# EAGLE board Mk4 Final Panel (EAGLE 9.0.1), part 8 of 18 (continued)
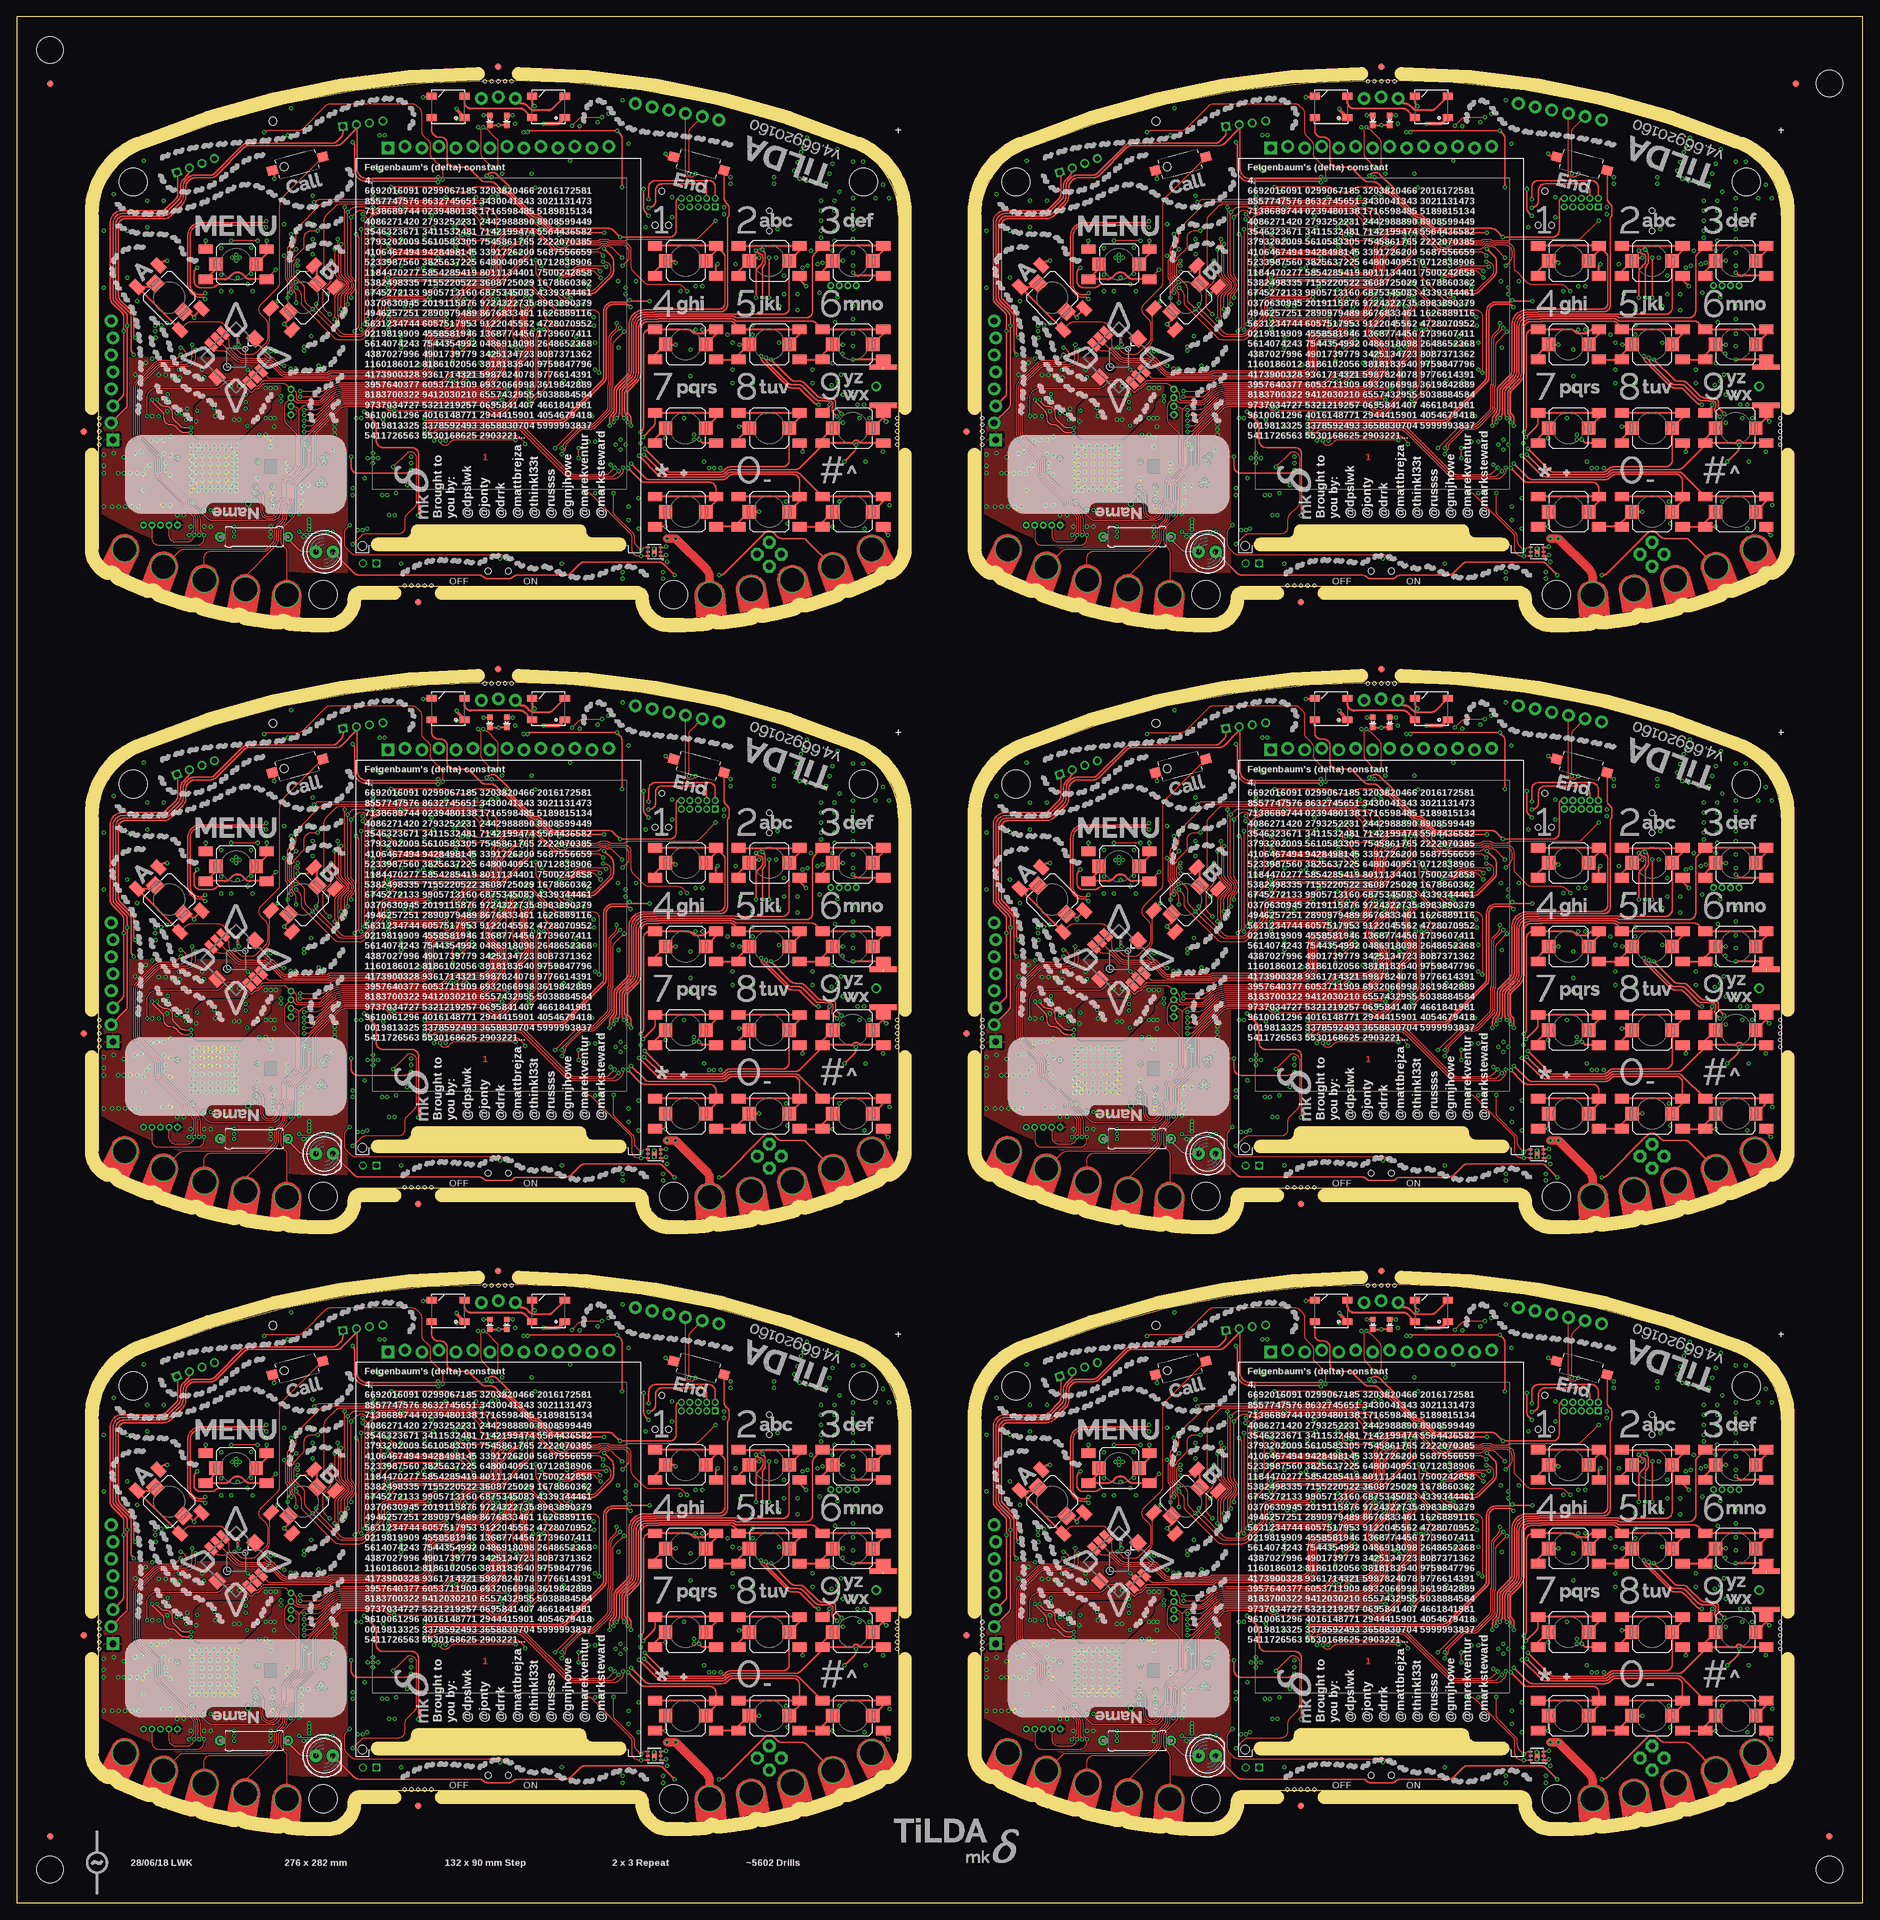
[diagram p0: board, top side]
## Tracks (layer width: path | path; a pad name or v marks a point on that pad's centre or on a via) (continued)
  Bottom 0.15: 27.17,204.57 v27.25,204.5 | JP42.5 18.94,205.56 21.21,203.29 arc45 21.91,203 26.02,203 arc90 27.02,204 27.02,204.21 arc-45 27.17,204.57 | IC83.12 27.75,209.75 arc-45 27.47,209.06 arc45 27.17,208.36 27.17,204.57
  Bottom 0.2: IC84.5 27.82,234.16 arc45 27.11,233.86 v26.25,233
FLASH_MOSI5  (via drill 0.3)
  Top 0.15: v159.25,204.5 arc-45 159.12,204.8 159.12,206.78 arc45 158.69,207.84 157.5,209.02 arc-45 157.43,209.2 157.43,209.47 arc45 157.35,209.65 153.77,213.23 arc-45 153.4,214.12 153.4,215.33 arc45 152.96,216.39 150.47,218.88 arc-45 150.1,219.77 150.1,226.43 arc-45 150.47,227.32 152.86,229.71 arc-45 153.74,230.07 157.2,230.07 arc90 158.2,231.07 158.2,232.95 v158.25,233
  Bottom 0.15: 159.18,204.57 v159.25,204.5 | JP51.5 150.94,205.56 153.21,203.29 arc45 153.91,203 158.03,203 arc90 159.03,204 159.03,204.21 arc-45 159.18,204.57 | IC101.12 159.75,209.75 arc-45 159.47,209.06 arc45 159.18,208.36 159.18,204.57
  Bottom 0.2: IC102.5 159.82,234.16 arc45 159.11,233.86 v158.25,233
FLASH_PU
  Bottom 0.15: IC14.3 24,52.88 arc45 24.14,52.94 24.17,52.97 arc-45 24.31,53.02 24.51,53.02 arc-45 24.86,52.88 25.84,51.91 arc45 26.54,51.62 IC14.7
  Bottom 0.2: IC14.3 20.63,52.88 R66.2
FLASH_PU1
  Bottom 0.15: IC30.3 156,52.88 arc45 156.14,52.94 156.17,52.97 arc-45 156.31,53.02 156.51,53.02 arc-45 156.86,52.88 157.83,51.91 arc45 158.54,51.62 IC30.7
  Bottom 0.2: IC30.3 152.63,52.88 R144.2
FLASH_PU2
  Bottom 0.15: IC48.3 24,142.88 arc45 24.14,142.94 24.17,142.97 arc-45 24.31,143.03 24.51,143.03 arc-45 24.86,142.88 25.84,141.91 arc45 26.54,141.62 IC48.7
  Bottom 0.2: IC48.3 20.63,142.88 R222.2
FLASH_PU3
  Bottom 0.15: IC66.3 156,142.88 arc45 156.14,142.94 156.17,142.97 arc-45 156.31,143.03 156.51,143.03 arc-45 156.86,142.88 157.83,141.91 arc45 158.54,141.62 IC66.7
  Bottom 0.2: IC66.3 152.63,142.88 R300.2
FLASH_PU4
  Bottom 0.15: IC84.3 24,232.88 arc45 24.14,232.94 24.17,232.97 arc-45 24.31,233.03 24.51,233.03 arc-45 24.86,232.88 25.84,231.91 arc45 26.54,231.62 IC84.7
  Bottom 0.2: IC84.3 20.63,232.88 R378.2
FLASH_PU5
  Bottom 0.15: IC102.3 156,232.88 arc45 156.14,232.94 156.17,232.97 arc-45 156.31,233.03 156.51,233.03 arc-45 156.86,232.88 157.83,231.91 arc45 158.54,231.62 IC102.7
  Bottom 0.2: IC102.3 152.63,232.88 R456.2
GMS_ANT_L
  Bottom 0.4: L3.2 C73.2 D2.1 128.25,46.5 J4.ANT J7.1
GMS_ANT_L1
  Bottom 0.4: L13.2 C174.2 D4.1 260.25,46.5 J15.ANT J19.1
GMS_ANT_L2
  Bottom 0.4: L22.2 C282.2 D6.1 128.25,136.5 J25.ANT J29.1
GMS_ANT_L3
  Bottom 0.4: L31.2 C390.2 D8.1 260.25,136.5 J35.ANT J39.1
GMS_ANT_L4
  Bottom 0.4: L40.2 C498.2 D10.1 128.25,226.5 J45.ANT J49.1
GMS_ANT_L5
  Bottom 0.4: L49.2 C606.2 D12.1 260.25,226.5 J55.ANT J59.1
GND  (via drill 0.3)  (1 unrouted)
  Top 0.15: IC17.3 96.3,22.65 96.25,22.6 IC17.2 | v95.3,21.5 IC17.PAD v95.3,22.5
  Top 0.2: 96.3,22.65 96.95,22.65 v97.05,22.75
  Top 0.3: S8.1 107.95,38.95 S8.A1 | S7.A1 95.45,38.95 S7.1 v97,39 | S10.A1 95.45,26 95.7,25.75 v97,25.75 S10.1 | S12.1 120.45,26.45 S12.A1 | S9.1 129.55,42.05 S9.A1 | 120.45,63.5 120.45,63.95 S3.1 v123.5,65.5 | 120.45,63.5 S3.A1 | S2.A1 107.95,63.95 S2.1 110,66 v111,66 | S1.A1 95.45,63.95 S1.1 98.25,65.5 v98.5,65.25 | S4.A1 95.45,51.45 S4.1 v98.5,53 | 107.95,51 107.95,51.45 S5.1 v108.05,53 | 107.95,51 S5.A1 | S1.A2 104.55,64.8 v104.75,65 | 120.2,63.25 120.45,63.5 | S6.A2 v125,50.75 | v123.5,53 S6.1 120.45,51.45 S6.A1 S5.A2 | 104.5,38.3 S7.A2 102.5,38.25 v102,38.75 | S8.1 109,41 | S12.A2 129.5,25.75 129.5,25.25 v130.25,24.5 | S11.A2 S12.A1 | v111,28 S11.1 107.95,26.45 S11.A1 S10.A2 | S4.A2 107.7,50.75 107.95,51 | S17.1 97.49,81.01 v97,81.5 | LED3.C v72.03,85.75 LED4.C | LED1.3 61.95,90 v60.75,90 | S3.A2 125.91,63.25 arc-45 125.21,63.54 v125,63.75 | 27.61,58.39 S13.A1 26.5,57.27 v26.5,57 25.62,57.88 S13.1 | S13.A2 21.57,65.21 arc-45 22.28,65.5 v22.5,65.5 | S12.A1 v122,25.75 | S2.A2 117.05,62.7 v118,61.75 | S8.1 109.25,40.75 v108,40.75 | S8.A2 117.5,37.8 v117.5,37 | S14.A2 v28.25,68.5 | S14.1 37.35,66.55 S14.A1 v37.35,68.5 | S16.1 38.5,78.72 v38.5,77.75 | S15.A1 40.81,55.19 v40,56 40.68,56.68 S15.1 | v46.5,60.5 47.61,61.61 S15.A2 | LED2.3 77.05,89.36 arc45 77.34,88.66 v77.4,88.6 | S9.A2 121.5,43.8 v121.5,44 | S9.A1 129.55,41.95 v130,41.5 | S9.A1 129.53,42.77 J7.G@4
  Top 0.4: S6.A2 129.53,50.73 J7.G@3
  GND@3 0.4: v34.45,40.85 31.8,38.2 v31.8,37.85 | v29.5,43.5 28.75,42.75 28.75,38.6 v29.5,37.85 | v27,43.1 27.75,42.35 27.75,38.4 v28.3,37.85
  Bottom 0.15: J2.32 68.75,50.25 | J2.31 69.25,50 | J2.30 69.75,50 | J2.29 70.25,50 | J2.28 70.75,50 | J2.27 71.25,50 | J2.26 71.75,50 | J2.25 72.25,50 | J2.24 72.75,50 | J2.23 73.25,50 | J2.22 73.75,50 | J2.21 74.25,50 | J2.20 74.75,50 | J2.19 75.25,50 | J2.18 75.75,50 | J2.17 76.25,50 | J2.16 76.75,50 | J2.15 77.25,50 | J2.14 77.75,50 | J2.13 78.25,50 | J2.12 78.75,50 | J2.11 79.25,50 | IC1.58 v65.6,68.8 | IC1.55 v65.6,67.6 | IC7.3 87.05,86 v86.85,86.2 | ANT2.3 118.79,83.9 v118.15,83.9 | v117.7,82.75 117.8,82.65 117.94,82.65 117.84,82.75 v117.7,82.75 | ANT2.2 118.05,82.4 v117.7,82.75 | ANT2.4 122.28,82.2 v122.75,82.2 | IC15.PAD v30.1,35.1 | IC15.PAD v28.9,35.1 | IC15.PAD v28.9,33.9 | IC15.PAD v30.1,33.9 | v28.9,36.3 29.5,36.9 v29.5,37.85 | v28.3,37.85 28.3,36.9 v27.7,36.3 27.75,36.35 | v31.3,36.3 31.3,37.35 v31.8,37.85 | v87.5,30.75 C102.2 88,31.5 arc90 88.5,32 88.5,32.5 arc90 88,33 IC16.2 87.46,33 arc45 87.1,32.85 86.9,32.65 arc-45 86.54,32.5 IC16.4 | C104.2 96.45,22.5 | v113.25,78 C54.2 | C57.2 v113.25,77 | C55.2 v106.75,78 | C53.2 v106.75,77 | v30.55,67.4 30.25,67.7 R74.2
  Bottom 0.2: C13.1 74.6,55.85 IC1.10 | IC1.17 71.8,56.01 arc-45 71.65,55.65 C12.1 v71.5,54.75 | IC1.48 63.46,64.8 arc-45 C10.1 | IC1.114 80.74,64.4 arc45 81.44,64.69 C9.1 | IC1.80 71.8,74.05 71.97,74.22 | X4.4 19.88,33.42 19.7,33.6 v18.9,33.6 | X4.2 21.73,29.07 v21.8,29 | IC4.23 87.8,38.75 arc-45 87.66,38.81 87.25,39.22 arc-90 87.25,39.25 | 87.25,39.25 v87.25,39.5 | IC4.24 87.25,39.25 | IC4.18 89,35.25 v88.75,35 | IC4.9 v93.25,38.25 | IC8.17 52.5,33.5 v52,33 IC8.18 | J1.GND4 123,28.05 | 96.45,22.5 arc45 v97.05,22.75 | v37.3,69.5 C106.2 | IC11.4 93.97,69.72 C78.1
  Bottom 0.25: J2.50 59.75,49.45 v60.25,49.95 | J2.49 v60.25,49.95 | J2.48 60.75,49.45 v60.25,49.95 | J2.43 63.25,50 | J2.6 v81.75,47.5 | v74,52.75 74,53.62 C14.1 74.25,54.12 C13.1 | v62,65.1 C10.1 | v82.25,64.75 C9.1 | v72,75 C11.1 71.97,74.22 | C8.1 C16.1 v73,76.45 | v61,69.25 R3.2 | C15.1 71.05,76.25 v71.65,75.65 | v81.5,20.25 S19.1 | v57.5,20.25 S20.1 | C19.1 v68.7,75 | C18.1 v64.1,75 | v77.5,76.45 C17.1 | R71.2 v31.25,27.75 | v33.35,65.95 IC13.PAD v32.8,65.5 | C46.2 44.88,27.23 | v91.45,83 C5.1 | v74.5,86 C3.1
  Bottom 0.3: 83.45,86.3 v84.15,85.6 | v38,39 R70.2 | v20.25,42.25 C60.1 | v22.5,43 22.62,42.88 C86.2 | v102.5,55.25 C69.2 | v101.5,55.25 C66.2 | v102.5,61.75 C65.2 | C67.2 v101.5,61.75 | IC5.8 106.1,54.65 v106.25,54.5 | R40.2 v100.75,52.25 | R38.2 v100.75,46.25 | R39.2 v100.75,48.25 | IC5.13 108.1,60.65 v108.25,60.5 | IC5.21 116.9,60.65 v116.75,60.5 | Q1.2 100.65,42.15 R30.2 v99.75,42 | C78.1 v94,70.5 | v98,72 97.91,72.09 JP4.5 | C71.1 v105.75,73.5 | IC12.7 99.19,61.81 R55.1 v99.25,61 | v107.5,65 C50.1 | v111,66 110.5,65.5 C49.1 | C48.1 v113.5,66 | J1.GND3 117.21,38.06 arc-45 117.5,37.36 v117.5,37 | 129.38,40.5 J1.GND2 129.5,40.59 arc-45 129.79,41.29 v130,41.5 | 130.17,38 J1.C4 129.79,37.74 arc45 129.5,37.04 v129.5,37 | v130.5,29 130.38,29 J1.GND1 | v115.25,26.25 R59.2 116.92,26.25 Q2.2 | C51.1 v126.75,25.5 | J1.C5 122.85,29.65 v123,29.5 123,28.05 | v115,29.5 115.23,29.27 116.25,29.27 J1.GND6 | C2.1 v82.25,59 | C7.1 v85,62.25 | C6.1 v85,63.5 | Q8.4 Q8.EP2 | C28.1 v57.5,54.25 | IC2.28 43.07,54.25 v44,54.25 | C24.1 v40,66.25 | IC2.46 44.2,68.7 v44.25,68.75 | C27.1 v40,71 | IC2.54 43.89,75.1 arc45 v44.25,75.25 | IC2.52 v44.25,73.5 | C26.1 v56.75,75.75 | C22.1 v57.5,73.5 | IC2.6 53.4,71.1 v53.25,71.25 | C23.1 v57.5,68.75 | C25.1 v57.5,64.75 | R15.1 v59,35.25 | R17.2 v59,36.25 | R19.2 54.15,41.5 arc45 v54.75,41.75 | v38,52 C42.1 | v38.75,52 38.75,51.5 C42.1 | v37.25,52 37.25,51.5 C42.1 | IC2.12 53.3,66.3 v53.25,66.25 | R63.2 v21.25,48.45 | R64.2 v22.25,48.45 | R51.2 v91,60.5 | v32.05,60.95 C58.2 | v114.75,60.5 114.7,60.55 IC5.19 114.7,63.2 v114.75,63.25 | R61.2 41.95,27.5 v42.2,27.75 | IC4.25 v89.5,38 | v72.6,78.55 72.67,78.55 X2.4 | X2.2 76.83,78.55 v76.95,78.55 | v88.5,87.5 C20.1
  Bottom 0.3: v90.6,89.5 R7.2 | C4.1 v82.75,80.5 | C70.1 v89.9,62.45 | J10.8 J10.4 | J8.8 J8.4 | IC2.41 42.05,64.7 v42,64.75 | J1.GND5 123.11,40.91 v123.5,41.3 122.94,41.3 arc-45 122.23,41.59 IC10.3 | IC5.33 119.3,46.95 v119,47.25 | v123.45,51.6 C72.1 | v122.7,46.5 D2.2 | v122.7,47.5 C73.1 | v17.75,36.75 C76.1 | v14.5,36.75 C77.1 | 38.55,42.8 C87.2 37.95,42.8 | IC3.2 v96.6,19 | C107.2 v90.6,18 | IC3.3 v96.6,18 | v119,49.25 119.1,49.15 IC5.31
  Bottom 0.35: v38.55,42 38.55,42.8 | v37.95,42 37.95,42.8
  Bottom 0.4: C89.2 34.1,40.5 v34.45,40.85 | v37.25,39.5 C61.2 | v38,37.75 C95.2 | C84.2 34.12,45.62 v34.25,45.5 | C84.2 v33.25,46.75 | v32,46.75 C85.2 C84.2 | C90.2 28.9,42.9 v29.5,43.5 29.4,43.4 | C88.2 v27,43.1 | v25.5,43.4 26.1,42.8 C44.2 | v40.5,34.25 C100.1 | v40.5,35.25 C101.1 | v38.25,30.75 C96.2 | C92.2 v36,33 | C59.1 v27.75,49.25 | C98.1 v22.95,33.5 | C94.2 v22.25,34.25 | C62.2 v22.25,35.25 | C99.1 v22.95,29 | R62.2 v24,27.5 | R65.2 v25,27.5 | R72.2 v26,25.75 | C97.2 v29,25.75 | C91.2 v28,25.75 | v38.5,40.75 C93.2 37.4,41.64 arc45 v37.25,42 | IC14.4 21.12,54.16 arc45 v20.75,54 | v38.25,28.75 R25.2 | v85.5,38.5 C21.1 | v50.25,30.5 50.85,30.5 C40.2 50.85,31.5 v50.25,31.5 | S18.2 71.4,21 v72.25,21 | Q8.EP2 86.4,49.35 v86.5,49.25 | v86.5,53.25 v86.5,53.24 IC6.4 | 48.75,40.75 C41.2 48.38,40.25 v47.5,40.25 | 48.62,41 v47.5,41 | C36.2 47.6,39.4 v47.5,39.5 | v47.25,37.25 47.25,36.33 C39.1 | 13,33.6 v13,33.75 ANT1.4 | ANT1.3 v13,28.75 | ANT1.2 14.25,29.7 v14.25,28.75 | C43.1 v38,25 | C43.1 37.5,25.75 v38,25.75 | C43.1 37.5,24.25 v38,24.25 | J9.4 40.94,83.81 v40.5,84.25 | C1.2 65.88,86.62 v65.75,86.75 | IC18.3 99.26,20.15 arc-45 98.56,20.44 C108.2 97.68,20.68 arc-45 v97.25,20.5 | TP17.TP 43.75,32.1 v43.6,31.95
  Bottom 0.5: v24.35,48.05 24.35,47.5 C63.2 23.35,47.5 v23.35,48.05
  Bottom 1: J5.1 93.05,26.8 C34.2 | C34.2 91.6,26.85 v91.5,26.75 | C34.2 v93,25.5 | v58.35,32 C35.2 56.65,30.85 v56.75,30.75
  other vias: 69.25,50.25 78.75,50.25 62.9,53.15 32.8,66.4 32.25,65.95 122.7,60.1 122.35,56.35 122,80 121.5,78.5 121,77 119.5,77 118,77.5 117,77.75 116.25,79 116.75,80.25 117.25,81.75 27.7,35.1 27.7,33.9 27.7,32.7 28.9,32.7 30.1,32.7 31.3,32.7 31.3,33.9 31.3,35.1 30.1,36.3 23,39.25 23,36.35 19,31.2 18.25,28.75 17.25,28.75 16.25,28.75 15.25,28.75 18,33.75 17,33.75 16,33.75 15.2,33.75 91,38 90.25,38.75 90.25,37.25 101.25,39.5 101.25,38.75 126,42 125,52.75 125,54.65 125,56.75 125,58.75 125,64.75 125,66.75 125,68.75 125,73.25 125,74.85 128.4,74.85 130.4,74.85 53.25,36 54,36 53.25,36.75 53.25,35.25 52.5,36 35.3,60.95 30.55,60.95 30.55,63.45 35.05,63.55 35.05,67.45 43.7,26.85 43.7,26.35 43.7,25.35 43.7,25.85 42.9,24.25 43.6,24.25 42.6,31.95 42.5,30.95 42.5,28.75 42.5,29.55 26.75,35.1 26.75,33.9 26.75,32.7 26.75,36.3 32.25,35.1 32.25,33.9 32.25,32.7 32.25,36.3 27.7,31.75 28.9,31.75 30.1,31.75 31.3,31.75 27.7,37.25 28.9,37.25 30.1,37.25 31.3,37.25 32.25,31.75 32.25,37.25 26.75,37.25 26.75,31.75 30.7,37.85 27.2,37.85 26.15,37.85 26.15,36.8 29.5,31.15 30.7,31.15 31.9,31.15 28.3,31.15 27.2,31.15 32.85,34.45 32.85,33.25 32.85,32.05 32.85,35.65 26.15,34.5 26.15,33.3 26.15,32.2 26.15,35.7 32.85,36.75 32.85,37.85 32.85,31.15 26.15,31.15 126.7,44 125.7,44 127.5,42 122,50.2 16.5,70 16.5,63 19.5,70.5 19.5,74.5 22,74.5 19,80.5 14.5,75.5 13,70 13,61.5 18,59.5 19.25,50.25 13,36.5 110,47.25 107,47.25 107,49.25 107,53.25 114,53.25 116.7,58.1 114,58.75 120,60.75 123.5,45.5 123.25,48.5 125,70.25 125,71.75 123,75.85 125,80.35 129.5,76.85 126.5,80.35 121.85,46.95 125,45.5 18.6,36.95 19.35,34.45 19.85,34.95 22,36.7 21,38.7 22,38.7 20.1,38.6 122.25,74.5 120.25,74.5 122.25,73 120.25,73 122.25,71.5 120.25,71.5 122.25,70 120.25,70 122.25,68.5 120.25,69 118.75,67 118.25,64.75 117.5,64.5 119.75,65 120.5,65.25 122,67 17.75,48.5 16,36.15 13,34.85 110,58.25 110,54.5 110,55.9
  pour GND@3 (isolate 0.254, rank 6): 12.2,74.5 12.2,21 arc31 44,12 46.7,12 arc90 49.5,14.8 arc-90 51.5,16.8 92.5,16.8 arc-90 94.5,14.8 arc90 97.3,12 100,12 arc31 131.8,21 131.8,44.5 125.5,44.5 125.5,74.5 131.8,74.5 arc64 125.25,82.25 arc24 72,92.5 arc24 18.75,82.25 arc55
  pour Bottom (rank 6): 79.25,48.9 79.25,50.25 79,50.5 69,50.5 68.75,50.25 68.75,48.9
  pour Bottom (isolate 0.254, rank 6): 12.2,74.5 12.2,28 arc9 23,23 23,35 25,35 25,41 23,41 23,43 arc90 22,44 21,44 arc-90 20,45 20,65.71 arc-90 32.79,78.5 40.5,78.5 44,82 102.5,81.5 arc-90 105,79 105,44.5 116.09,44.5 arc-45 116.79,44.21 119.21,41.79 arc45 119.91,41.5 131.8,41.5 131.8,44.5 125.5,44.5 125.5,74.5 131.8,74.5 arc64 125.25,82.25 arc24 72,92.5 arc24 18.75,82.25 arc55
  pour Bottom (rank 2, no thermals): 113.5,45 115,45 115,42.5 114.41,42.5 arc45 113.71,42.21 113.29,41.79 arc45 113,41.09 113,39 arc-90 112,38 101.5,38 arc-90 100.5,39 arc-90 101.5,40 109.75,40 arc90 110.75,41 110.75,41.09 arc-45 111.04,41.79 111.71,42.46 arc-45 112.41,42.75 112.59,42.75 arc45 113.29,43.04 113.5,43.25
  pour Bottom (no thermals): 63.5,51.5 63.5,50.2 63.3,50 63.2,50 63,50.2 63,51.25 62.5,51.75 62.5,53.3 62.7,53.5 63.05,53.5 63.25,53.3 63.25,51.75
  pour Bottom: 35.55,60.95 35.55,66.95 arc90 34.55,67.95 31.05,67.95 arc90 30.05,66.95 30.05,60.95 arc90 31.05,59.95 34.55,59.95 arc90
  pour Bottom (no thermals): 49.4,39 49.4,40.1 49.2,40.3 49.2,41.05 49,41.25 47.75,41.25 47.25,40.75 47.25,39.25 47.5,39
  pour Bottom (no thermals): 43.9,26.8 43.9,24.3 arc-90 43.4,23.8 42.45,23.8 arc-90 41.95,24.3 41.95,31.65 arc-90 42.45,32.15 43.55,32.15 arc-90 44.05,31.65 44.05,28.1 arc90 44.55,27.6 45.8,27.6 45.85,27.55 45.85,26.9 45.75,26.8
  pour Top (rank 6): 12.2,51 12.2,28 arc34 49,19 49.5,19 49.5,51
GND1  (via drill 0.3)  (1 unrouted)
  Top 0.15: IC34.3 228.3,22.65 228.25,22.6 IC34.2 | v227.3,21.5 IC34.PAD v227.3,22.5
  Top 0.2: 228.3,22.65 228.95,22.65 v229.05,22.75
  Top 0.3: S28.1 239.95,38.95 S28.A1 | S24.A1 227.45,38.95 S24.1 v229,39 | S25.A1 227.45,26 227.7,25.75 v229,25.75 S25.1 | S33.1 252.45,26.45 S33.A1 | S32.1 261.55,42.05 S32.A1 | 252.45,63.5 252.45,63.95 S30.1 v255.5,65.5 | 252.45,63.5 S30.A1 | S26.A1 239.95,63.95 S26.1 242,66 v243,66 | S21.A1 227.45,63.95 S21.1 230.25,65.5 v230.5,65.25 | S23.A1 227.45,51.45 S23.1 v230.5,53 | 239.95,51 239.95,51.45 S27.1 v240.05,53 | 239.95,51 S27.A1 | S21.A2 236.55,64.8 v236.75,65 | 252.2,63.25 252.45,63.5 | S31.A2 v257,50.75 | v255.5,53 S31.1 252.45,51.45 S31.A1 S27.A2 | 236.5,38.3 S24.A2 234.5,38.25 v234,38.75 | S28.1 241,41 | S33.A2 261.5,25.75 261.5,25.25 v262.25,24.5 | S29.A2 S33.A1 | v243,28 S29.1 239.95,26.45 S29.A1 S25.A2 | S23.A2 239.7,50.75 239.95,51 | S38.1 229.49,81.01 v229,81.5 | LED9.C v204.03,85.75 LED10.C | LED7.3 193.95,90 v192.75,90 | S30.A2 257.91,63.25 arc-45 257.21,63.54 v257,63.75 | 159.61,58.39 S35.A1 158.5,57.27 v158.5,57 157.62,57.88 S35.1 | S35.A2 153.57,65.21 arc-45 154.28,65.5 v154.5,65.5 | S33.A1 v254,25.75 | S26.A2 249.05,62.7 v250,61.75 | S28.1 241.25,40.75 v240,40.75 | S28.A2 249.5,37.8 v249.5,37 | S36.A2 v160.25,68.5 | S36.1 169.35,66.55 S36.A1 v169.35,68.5 | S37.1 170.5,78.72 v170.5,77.75 | S34.A1 172.81,55.19 v172,56 172.68,56.68 S34.1 | v178.5,60.5 179.61,61.61 S34.A2 | LED8.3 209.05,89.36 arc45 209.34,88.66 v209.4,88.6 | S32.A2 253.5,43.8 v253.5,44 | S32.A1 261.55,41.95 v262,41.5 | S32.A1 261.53,42.77 J19.G@4
  Top 0.4: S31.A2 261.53,50.73 J19.G@3
  GND@3 0.4: v166.45,40.85 163.8,38.2 v163.8,37.85 | v161.5,43.5 160.75,42.75 160.75,38.6 v161.5,37.85 | v159,43.1 159.75,42.35 159.75,38.4 v160.3,37.85
  Bottom 0.15: J6.32 200.75,50.25 | J6.31 201.25,50 | J6.30 201.75,50 | J6.29 202.25,50 | J6.28 202.75,50 | J6.27 203.25,50 | J6.26 203.75,50 | J6.25 204.25,50 | J6.24 204.75,50 | J6.23 205.25,50 | J6.22 205.75,50 | J6.21 206.25,50 | J6.20 206.75,50 | J6.19 207.25,50 | J6.18 207.75,50 | J6.17 208.25,50 | J6.16 208.75,50 | J6.15 209.25,50 | J6.14 209.75,50 | J6.13 210.25,50 | J6.12 210.75,50 | J6.11 211.25,50 | IC20.58 v197.6,68.8 | IC20.55 v197.6,67.6 | IC23.3 219.05,86 v218.85,86.2 | ANT4.3 250.79,83.9 v250.15,83.9 | v249.7,82.75 249.8,82.65 249.94,82.65 249.84,82.75 v249.7,82.75 | ANT4.2 250.05,82.4 v249.7,82.75 | ANT4.4 254.28,82.2 v254.75,82.2 | IC29.PAD v162.1,35.1 | IC29.PAD v160.9,35.1 | IC29.PAD v160.9,33.9 | IC29.PAD v162.1,33.9 | v160.9,36.3 161.5,36.9 v161.5,37.85 | v160.3,37.85 160.3,36.9 v159.7,36.3 159.75,36.35 | v163.3,36.3 163.3,37.35 v163.8,37.85 | v219.5,30.75 C210.2 220,31.5 arc90 220.5,32 220.5,32.5 arc90 220,33 IC32.2 219.46,33 arc45 219.1,32.85 218.9,32.65 arc-45 218.54,32.5 IC32.4 | C212.2 228.45,22.5 | v245.25,78 C161.2 | C164.2 v245.25,77 | C162.2 v238.75,78 | C160.2 v238.75,77 | v162.55,67.4 162.25,67.7 R155.2
  Bottom 0.2: C123.1 206.6,55.85 IC20.10 | IC20.17 203.8,56.01 arc-45 203.65,55.65 C122.1 v203.5,54.75 | IC20.48 195.46,64.8 arc-45 C120.1 | IC20.114 212.74,64.4 arc45 213.44,64.69 C119.1 | IC20.80 203.8,74.05 203.97,74.22 | X8.4 151.88,33.42 151.7,33.6 v150.9,33.6 | X8.2 153.72,29.07 v153.8,29 | IC31.23 219.8,38.75 arc-45 219.66,38.81 219.25,39.22 arc-90 219.25,39.25 | 219.25,39.25 v219.25,39.5 | IC31.24 219.25,39.25 | IC31.18 221,35.25 v220.75,35 | IC31.9 v225.25,38.25 | IC24.17 184.5,33.5 v184,33 IC24.18 | J14.GND4 255,28.05 | 228.45,22.5 arc45 v229.05,22.75 | v169.3,69.5 C214.2 | IC26.4 225.97,69.72 C179.1
  Bottom 0.25: J6.50 191.75,49.45 v192.25,49.95 | J6.49 v192.25,49.95 | J6.48 192.75,49.45 v192.25,49.95 | J6.43 195.25,50 | J6.6 v213.75,47.5 | v206,52.75 206,53.62 C124.1 206.25,54.12 C123.1 | v194,65.1 C120.1 | v214.25,64.75 C119.1 | v204,75 C121.1 203.97,74.22 | C118.1 C126.1 v205,76.45 | v193,69.25 R87.2 | C125.1 203.05,76.25 v203.65,75.65 | v213.5,20.25 S40.1 | v189.5,20.25 S41.1 | C129.1 v200.7,75 | C128.1 v196.1,75 | v209.5,76.45 C127.1 | R149.2 v163.25,27.75 | v165.35,65.95 IC28.PAD v164.8,65.5 | C144.2 176.88,27.23 | v223.45,83 C115.1 | v206.5,86 C113.1
  Bottom 0.3: 215.45,86.3 v216.15,85.6 | v170,39 R148.2 | v152.25,42.25 C187.1 | v154.5,43 154.62,42.88 C192.2 | v234.5,55.25 C170.2 | v233.5,55.25 C167.2 | v234.5,61.75 C166.2 | C168.2 v233.5,61.75 | IC21.8 238.1,54.65 v238.25,54.5 | R122.2 v232.75,52.25 | R114.2 v232.75,46.25 | R121.2 v232.75,48.25 | IC21.13 240.1,60.65 v240.25,60.5 | IC21.21 248.9,60.65 v248.75,60.5 | Q6.2 232.65,42.15 R112.2 v231.75,42 | C179.1 v226,70.5 | v230,72 229.91,72.09 JP10.5 | C172.1 v237.75,73.5 | IC27.7 231.19,61.81 R133.1 v231.25,61 | v239.5,65 C157.1 | v243,66 242.5,65.5 C156.1 | C155.1 v245.5,66 | J14.GND3 249.21,38.06 arc-45 249.5,37.36 v249.5,37 | 261.38,40.5 J14.GND2 261.5,40.59 arc-45 261.79,41.29 v262,41.5 | 262.17,38 J14.C4 261.79,37.74 arc45 261.5,37.04 v261.5,37 | v262.5,29 262.38,29 J14.GND1 | v247.25,26.25 R137.2 248.93,26.25 Q5.2 | C158.1 v258.75,25.5 | J14.C5 254.85,29.65 v255,29.5 255,28.05 | v247,29.5 247.23,29.27 248.25,29.27 J14.GND6 | C112.1 v214.25,59 | C117.1 v217,62.25 | C116.1 v217,63.5 | Q4.4 Q4.EP2 | C138.1 v189.5,54.25 | IC19.28 175.07,54.25 v176,54.25 | C134.1 v172,66.25 | IC19.46 176.2,68.7 v176.25,68.75 | C137.1 v172,71 | IC19.54 175.89,75.1 arc45 v176.25,75.25 | IC19.52 v176.25,73.5 | C136.1 v188.75,75.75 | C132.1 v189.5,73.5 | IC19.6 185.4,71.1 v185.25,71.25 | C133.1 v189.5,68.75 | C135.1 v189.5,64.75 | R97.1 v191,35.25 | R99.2 v191,36.25 | R101.2 186.15,41.5 arc45 v186.75,41.75 | v170,52 C153.1 | v170.75,52 170.75,51.5 C153.1 | v169.25,52 169.25,51.5 C153.1 | IC19.12 185.3,66.3 v185.25,66.25 | R141.2 v153.25,48.45 | R142.2 v154.25,48.45 | R129.2 v223,60.5 | v164.05,60.95 C185.2 | v246.75,60.5 246.7,60.55 IC21.19 246.7,63.2 v246.75,63.25 | R139.2 173.95,27.5 v174.2,27.75
  Bottom 0.3: IC31.25 v221.5,38 | v204.6,78.55 204.68,78.55 X6.4 | X6.2 208.82,78.55 v208.95,78.55 | v220.5,87.5 C130.1 | v222.6,89.5 R91.2 | C114.1 v214.75,80.5 | C171.1 v221.9,62.45 | J16.8 J16.4 | J18.8 J18.4 | IC19.41 174.05,64.7 v174,64.75 | J14.GND5 255.11,40.91 v255.5,41.3 254.94,41.3 arc-45 254.23,41.59 IC25.3 | IC21.33 251.3,46.95 v251,47.25 | v255.45,51.6 C173.1 | v254.7,46.5 D4.2 | v254.7,47.5 C174.1 | v149.75,36.75 C177.1 | v146.5,36.75 C178.1 | 170.55,42.8 C195.2 169.95,42.8 | IC35.2 v228.6,19 | C215.2 v222.6,18 | IC35.3 v228.6,18 | v251,49.25 251.1,49.15 IC21.31
  Bottom 0.35: v170.55,42 170.55,42.8 | v169.95,42 169.95,42.8
  Bottom 0.4: C197.2 166.1,40.5 v166.45,40.85 | v169.25,39.5 C191.2 | v170,37.75 C203.2 | C193.2 166.12,45.62 v166.25,45.5 | C193.2 v165.25,46.75 | v164,46.75 C194.2 C193.2 | C198.2 160.9,42.9 v161.5,43.5 161.4,43.4 | C196.2 v159,43.1 | v157.5,43.4 158.1,42.8 C190.2 | v172.5,34.25 C208.1 | v172.5,35.25 C209.1 | v170.25,30.75 C204.2 | C200.2 v168,33 | C186.1 v159.75,49.25 | C206.1 v154.95,33.5 | C202.2 v154.25,34.25 | C188.2 v154.25,35.25 | C207.1 v154.95,29 | R140.2 v156,27.5 | R143.2 v157,27.5 | R150.2 v158,25.75 | C205.2 v161,25.75 | C199.2 v160,25.75 | v170.5,40.75 C201.2 169.4,41.64 arc45 v169.25,42 | IC30.4 153.12,54.16 arc45 v152.75,54 | v170.25,28.75 R107.2 | v217.5,38.5 C131.1 | v182.25,30.5 182.85,30.5 C151.2 182.85,31.5 v182.25,31.5 | S39.2 203.4,21 v204.25,21 | Q4.EP2 218.4,49.35 v218.5,49.25 | v218.5,53.25 v218.5,53.24 IC22.4 | 180.75,40.75 C152.2 180.38,40.25 v179.5,40.25 | 180.62,41 v179.5,41 | C148.2 179.6,39.4 v179.5,39.5 | v179.25,37.25 179.25,36.33 C149.1 | 145,33.6 v145,33.75 ANT3.4 | ANT3.3 v145,28.75 | ANT3.2 146.25,29.7 v146.25,28.75 | C154.1 v170,25 | C154.1 169.5,25.75 v170,25.75 | C154.1 169.5,24.25 v170,24.25 | J17.4 172.94,83.81 v172.5,84.25 | C111.2 197.88,86.62 v197.75,86.75 | IC36.3 231.26,20.15 arc-45 230.56,20.44 C216.2 229.68,20.68 arc-45 v229.25,20.5 | TP36.TP 175.75,32.1 v175.6,31.95
  Bottom 0.5: v156.35,48.05 156.35,47.5 C189.2 155.35,47.5 v155.35,48.05
  Bottom 1: J12.1 225.05,26.8 C146.2 | C146.2 223.6,26.85 v223.5,26.75 | C146.2 v225,25.5 | v190.35,32 C147.2 188.65,30.85 v188.75,30.75
  other vias: 201.25,50.25 210.75,50.25 194.9,53.15 164.8,66.4 164.25,65.95 254.7,60.1 254.35,56.35 254,80 253.5,78.5 253,77 251.5,77 250,77.5 249,77.75 248.25,79 248.75,80.25 249.25,81.75 159.7,35.1 159.7,33.9 159.7,32.7 160.9,32.7 162.1,32.7 163.3,32.7 163.3,33.9 163.3,35.1 162.1,36.3 155,39.25 155,36.35 151,31.2 150.25,28.75 149.25,28.75 148.25,28.75 147.25,28.75 150,33.75 149,33.75 148,33.75 147.2,33.75 223,38 222.25,38.75 222.25,37.25 233.25,39.5 233.25,38.75 258,42 257,52.75 257,54.65 257,56.75 257,58.75 257,64.75 257,66.75 257,68.75 257,73.25 257,74.85 260.4,74.85 262.4,74.85 185.25,36 186,36 185.25,36.75 185.25,35.25 184.5,36 167.3,60.95 162.55,60.95 162.55,63.45 167.05,63.55 167.05,67.45 175.7,26.85 175.7,26.35 175.7,25.35 175.7,25.85 174.9,24.25 175.6,24.25 174.6,31.95 174.5,30.95 174.5,28.75 174.5,29.55 158.75,35.1 158.75,33.9 158.75,32.7 158.75,36.3 164.25,35.1 164.25,33.9 164.25,32.7 164.25,36.3 159.7,31.75 160.9,31.75 162.1,31.75 163.3,31.75 159.7,37.25 160.9,37.25 162.1,37.25 163.3,37.25 164.25,31.75 164.25,37.25 158.75,37.25 158.75,31.75 162.7,37.85 159.2,37.85 158.15,37.85 158.15,36.8 161.5,31.15 162.7,31.15 163.9,31.15 160.3,31.15 159.2,31.15 164.85,34.45 164.85,33.25 164.85,32.05 164.85,35.65 158.15,34.5 158.15,33.3 158.15,32.2 158.15,35.7 164.85,36.75 164.85,37.85 164.85,31.15 158.15,31.15 258.7,44 257.7,44 259.5,42 254,50.2 148.5,70 148.5,63 151.5,70.5 151.5,74.5 154,74.5 151,80.5 146.5,75.5 145,70 145,61.5 150,59.5 151.25,50.25 145,36.5 242,47.25 239,47.25 239,49.25 239,53.25 246,53.25 248.7,58.1 246,58.75 252,60.75 255.5,45.5 255.25,48.5 257,70.25 257,71.75 255,75.85 257,80.35 261.5,76.85 258.5,80.35 253.85,46.95 257,45.5 150.6,36.95 151.35,34.45 151.85,34.95 154,36.7 153,38.7 154,38.7 152.1,38.6 254.25,74.5 252.25,74.5 254.25,73 252.25,73 254.25,71.5 252.25,71.5 254.25,70 252.25,70 254.25,68.5 252.25,69 250.75,67 250.25,64.75 249.5,64.5 251.75,65 252.5,65.25 254,67 149.75,48.5 148,36.15 145,34.85 242,58.25 242,54.5 242,55.9
  pour GND@3 (isolate 0.254, rank 6): 144.2,74.5 144.2,21 arc31 176,12 178.7,12 arc90 181.5,14.8 arc-90 183.5,16.8 224.5,16.8 arc-90 226.5,14.8 arc90 229.3,12 232,12 arc31 263.8,21 263.8,44.5 257.5,44.5 257.5,74.5 263.8,74.5 arc64 257.25,82.25 arc24 204,92.5 arc24 150.75,82.25 arc55
  pour Bottom (rank 6): 211.25,48.9 211.25,50.25 211,50.5 201,50.5 200.75,50.25 200.75,48.9
  pour Bottom (isolate 0.254, rank 6): 144.2,74.5 144.2,28 arc9 155,23 155,35 157,35 157,41 155,41 155,43 arc90 154,44 153,44 arc-90 152,45 152,65.71 arc-90 164.79,78.5 172.5,78.5 176,82 234.5,81.5 arc-90 237,79 237,44.5 248.09,44.5 arc-45 248.79,44.21 251.21,41.79 arc45 251.91,41.5 263.8,41.5 263.8,44.5 257.5,44.5 257.5,74.5 263.8,74.5 arc64 257.25,82.25 arc24 204,92.5 arc24 150.75,82.25 arc55